# KiCad board AmigaPCI Mainboard.kicad_pcb (continued)
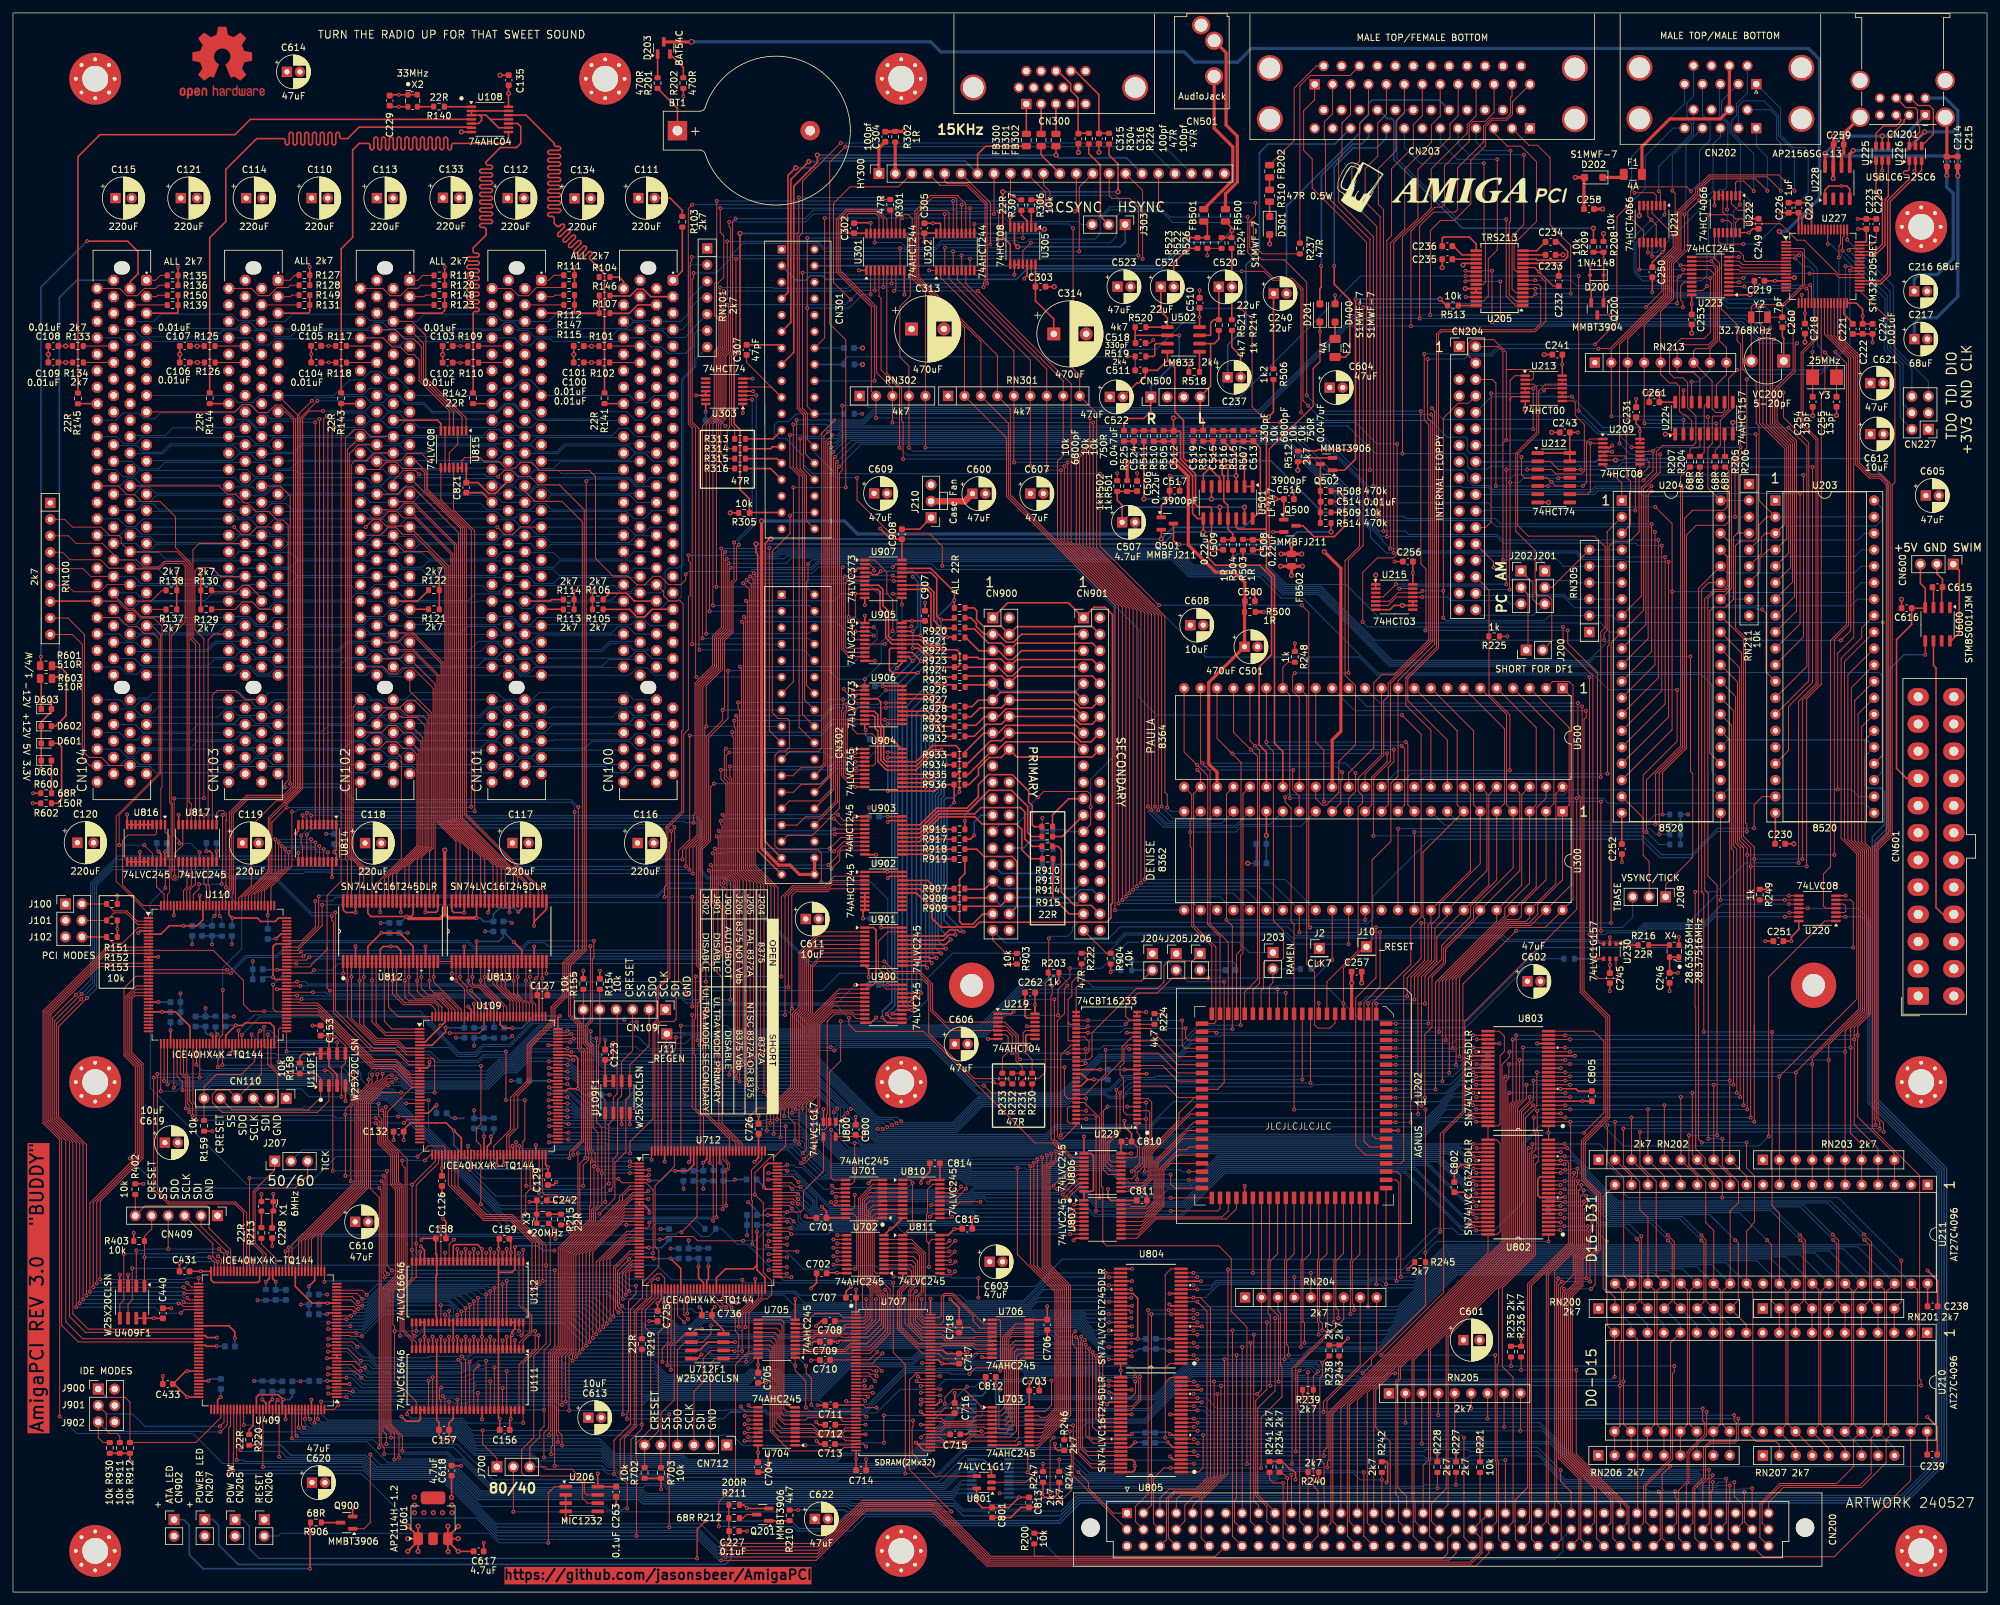
[diagram p0: board, top side]
## Routing (per net, layer and track width the routed paths; a pad name or vN(x,y) marks a point on that pad's centre or on a via; arc(x,y) is an arc through that point) (continued)
PotX1: length 140.5
  Top w0.15: U500.35 206.23,126.5 210.11,130.38 210.11,140.42 211.4,141.71 213.27,141.71 218.6,147.04 218.6,180.28 217.9,180.98 v1(217.9,191.2) ; v1(249.18,213.89) 247.66,212.37 247.66,196.06 v1(244.28,192.68)
  Bottom w0.15: v1(217.9,191.2) 217.9,191.19 228.17,191.19 229.65,192.68 v1(244.28,192.68) ; v1(249.18,213.89) 252.01,216.72 252.01,221.71 256.36,226.06 CN202.14
PotY0: length 159.2
  Top w0.15: v1(256.95,198.97) 256.95,198.98 256.95,202.78 v1(257.33,203.15) 257.73,203.56 U223.15 ; U500.33 201.15,122.57 202.2,121.52 202.78,121.52 204.71,123.45 204.71,128.27 207.29,130.85 207.29,139.97 205.67,141.59 205.67,159.24 207.91,161.48 v1(207.91,198.97) ; U221.1 255.02,212.73 v1(254.99,212.7)
  Bottom w0.15: v1(257.33,203.15) 251.36,203.15 250.6,203.9 250.6,208.31 v1(254.99,212.7) ; v1(207.91,198.97) v1(256.95,198.97)
PotY1: length 141.9
  Top w0.15: v1(244.79,192.01) 246.56,192.01 254.89,200.34 254.89,205.75 256.64,207.5 256.64,215.98 v1(256.21,216.41) ; v1(218.43,190.41) 218.43,190.41 218.43,181.29 218.9,180.81 218.9,146.92 212.33,140.35 212.33,138.31 211.64,137.61 211.64,129.17 208.77,126.3 U500.36
  Bottom w0.15: CN202.18 259.48,225.1 256.21,221.82 256.21,216.41 v1(256.21,216.41) ; v1(218.43,190.41) 224.12,190.41 224.6,190.89 228.35,190.89 229.46,192.01 v1(244.79,192.01)
PPD0: length 280.9
  Top w0.15: v1(253,170.78) 252.12,169.9 252.12,149.41 U204.10 ; CN302.23 120.41,126.05 121.65,127.29 124.58,127.29 125.21,127.92 125.21,178.5 v1(125.88,179.17) ; v1(209.52,173.28) 209.52,208.86 202.65,215.73 202.65,224.24 202.48,224.41 202.48,227.01 203.75,228.28 CN203.2
  Bottom w0.15: v1(125.88,179.17) 126.18,179.47 127.68,179.47 127.98,179.77 201.01,179.77 207.5,173.28 v1(209.52,173.28) 223.98,173.28 224.6,172.66 224.6,171.73 225.45,170.88 227.91,170.88 228.56,170.22 243.78,170.22 244.33,170.78 v1(253,170.78)
PPD1: length 278.7
  Top w0.15: v1(210.04,170.75) 210.04,209.3 204.69,214.66 204.69,221.33 205.19,221.83 205.19,226.84 206.52,228.17 CN203.3 ; U204.11 252.48,147.23 252.48,150.92 252.48,150.92 252.48,169.44 v1(253.01,169.97) ; CN302.24 125.51,127.8 125.51,177.68 v1(126.47,178.64)
  Bottom w0.15: v1(253.01,169.97) 251.78,169.97 251.32,170.43 244.48,170.43 243.9,169.85 228.52,169.85 227.79,170.57 223.79,170.57 223.61,170.75 v1(210.04,170.75) 209.29,170.75 200.7,179.34 127.98,179.34 127.28,178.64 v1(126.47,178.64)
PPD2: length 288.5
  Top w0.15: CN203.4 209.29,228.17 207.92,226.8 207.92,220.98 206.73,219.79 206.73,214.71 210.57,210.87 v1(210.57,166.13) ; CN302.25 120.51,123.51 121.73,124.73 124.56,124.73 125.81,125.98 125.81,177.24 v1(126.04,177.47) ; U204.12 253,145.21 v1(253,164.95)
  Bottom w0.15: v1(253,164.95) 252.99,164.94 229.7,164.94 228.89,165.76 215.09,165.76 214.72,166.13 v1(210.57,166.13) 197.96,178.74 128.3,178.74 127.03,177.47 v1(126.04,177.47)
PPD3: length 285.7
  Top w0.15: v1(126.34,176.79) 126.11,176.55 126.11,125.86 CN302.26 ; v1(253.52,163.67) 253.52,143.19 U204.13 ; CN203.5 212.06,228.19 210.73,226.86 210.73,221.75 208.77,219.79 208.77,214.7 211.09,212.38 v1(211.09,165.45)
  Bottom w0.15: v1(253.52,163.67) 252.69,164.5 229.06,164.5 228.11,165.46 215.24,165.46 215.23,165.45 v1(211.09,165.45) 210.51,165.45 197.52,178.44 128.42,178.44 126.77,176.79 v1(126.34,176.79)
PPD4: length 296.1
  Top w0.15: U204.14 254.05,141.18 v1(254.05,162.45) ; v1(211.62,163.84) 211.62,213.48 210.81,214.28 210.81,219.83 213.53,222.55 213.53,227.09 214.83,228.39 CN203.6 ; v1(126.63,176.04) 126.41,175.81 126.41,124.04 124.53,122.16 119.87,122.16 CN302.27
  Bottom w0.15: v1(126.63,176.04) 128.74,178.14 196.66,178.14 210.96,163.84 v1(211.62,163.84) 214.98,163.84 215.51,163.3 229.18,163.3 230.03,162.45 254.04,162.45 v1(254.05,162.45)
PPD5: length 294.3
  Top w0.15: U204.15 254.57,139.16 v1(254.57,161.59) ; v1(212.14,163) 212.14,208.71 212.85,209.42 212.85,219.79 216.22,223.15 216.22,226.59 217.6,227.97 CN203.7 ; CN302.28 126.71,123.92 126.71,175.07 v1(126.93,175.29)
  Bottom w0.15: v1(126.93,175.29) 129.48,177.84 196.54,177.84 211.38,163 v1(212.14,163) 215.94,163 215.95,163 229.05,163 230.09,161.96 250.57,161.96 250.94,161.59 v1(254.57,161.59)
PPD6: length 306
  Top w0.15: CN302.29 121.08,118.43 122.36,119.71 124.62,119.71 127.01,122.1 127.01,174.32 v1(127.23,174.54) ; U204.16 255.1,137.15 v1(255.1,159.82) ; v1(212.67,161.11) 212.67,208.27 214.89,210.5 214.89,219.74 219.01,223.86 219.01,226.56 220.37,227.92 CN203.8
  Bottom w0.15: v1(127.23,174.54) 130.23,177.54 196.41,177.54 211.48,162.47 211.48,162.3 v1(212.67,161.11) 214.4,161.11 214.75,160.76 241.45,160.76 242.4,159.82 255.09,159.82 v1(255.1,159.82)
PPD7: length 306.1
  Top w0.15: v1(127.53,173.8) 127.31,173.58 127.31,121.98 CN302.30 ; v1(255.62,159.09) 255.62,135.13 U204.17 ; v1(213.19,160.46) 213.19,208.37 216.93,212.12 216.93,219.68 221.88,224.62 221.88,226.71 223.14,227.97 CN203.9
  Bottom w0.15: v1(255.62,159.09) 249.17,159.09 248.8,159.46 242.33,159.46 241.33,160.46 213.19,160.46 v1(213.19,160.46) 212.03,160.46 209.6,162.89 209.6,163.92 206.1,167.43 204.56,167.43 204.12,167.87 204.12,169.41 196.29,177.24 130.97,177.24 v1(127.53,173.8)
PPOUT: length 309
  Top w0.15: v1(217.19,196.67) 217.19,210.95 219.32,213.08 222.66,213.08 223.05,213.48 223.05,219.94 227.04,223.92 227.04,226.33 228.29,227.58 230.51,227.58 231.23,228.3 231.23,230.79 231.45,231.01 CN203.12 ; v1(269.68,193.5) 269.68,180.47 273.57,176.57 273.57,164.92 U203.3 270.56,163.48 269.95,162.87 269.95,160.3 RN211.6 ; CN302.16 122.23,137.74 122.23,172.34 121,173.56 121,180.98 v1(121,180.98)
  Bottom w0.15: v1(121,180.98) 125.97,180.98 126.58,180.37 127.21,180.37 127.51,180.67 131.32,180.67 132.93,182.28 192.54,182.28 206.93,196.67 v1(217.19,196.67) 228.5,196.67 229.02,196.15 267.02,196.15 v1(269.68,193.5) ; 272.13,163.49 273.26,164.62 287.64,164.62 288.61,165.59 288.61,167.34 287.38,168.57
PSEL: length 299.4
  Top w0.15: v1(218.85,197.2) 218.85,210.24 220.4,211.79 222.5,211.79 225.09,214.38 225.09,221.06 227.34,223.3 227.34,226.21 228.41,227.28 230.63,227.28 231.53,228.18 231.53,230.12 CN203.13 ; v1(126.8,180.89) 124.87,178.96 124.87,130.31 124.38,129.82 119.91,129.82 CN302.21 ; v1(270.2,194.57) 270.2,194.57 270.2,180.45 273.87,176.78 273.87,162.69 U203.4 271.02,160.94 269.72,159.64 269.72,157.53 RN211.7 ; Q200.3 v1(246.67,197.2)
  Bottom w0.15: v1(126.8,180.89) 126.88,180.97 131.19,180.97 132.8,182.58 192.42,182.58 207.04,197.2 v1(218.85,197.2) v1(246.67,197.2) 267.57,197.2 v1(270.2,194.57)
PSTROBE: length 281.5
  Top w0.15: v1(121.53,178.12) 121.53,173.46 122.53,172.46 122.53,165.4 CN301.36 ; v1(253.58,167.54) 256.17,164.95 v1(256.17,154.48) 256.17,133.14 U204.18 ; v1(210.04,168.19) 208.99,169.24 208.99,208.43 200.61,216.81 200.61,221.28 199.28,222.61 199.28,228.73 200.98,230.44 CN203.1
  Bottom w0.15: v1(121.53,178.12) 127.24,178.12 128.16,179.04 200.57,179.04 210.04,169.57 v1(210.04,168.19) 215.41,168.19 215.42,168.2 227.73,168.2 228.45,167.48 249.49,167.48 249.54,167.54 v1(253.58,167.54) ; RN211.8 265.77,153.32 264.6,154.48 v1(256.17,154.48)
R_W: length 440.7
  Top w0.15: v1(197.8,74.51) U202.22 197.8,103.15 197.34,103.61 197.34,121.07 196.41,122 v1(196.41,122.73) ; v1(242.55,70.92) 245.64,74.01 245.64,85.05 244.09,86.6 U803.24 ; CN200.b12 198.67,10.93 198.67,27.96 198.37,28.26 198.37,33.92 v1(198.67,34.22) ; U802.1 v1(237.09,54.15) ; 237.09,71.99 v1(237.09,70.92) 237.09,70.92 U802.24 ; v1(281.74,123.95) 281.74,144.97 284.22,147.45 284.22,190.57 280.7,194.09 U227.27 ; v1(218.08,74.52) v1(218.08,52.42) 218.08,44.27 209.75,35.94 209.75,35.13 v1(208.4,33.77)
  Bottom w0.15: U203.22 284.97,122.84 283.86,123.95 264.76,123.95 U204.22 262.62,123.86 240.22,123.86 239.47,123.11 229.33,123.11 229.33,123.11 196.79,123.11 v1(196.41,122.73) ; v1(218.08,74.52) 218.07,74.51 v1(197.8,74.51) ; v1(237.09,54.15) 232.61,54.15 ; 232.61,54.15 233.46,55 233.46,69.33 235.05,70.92 v1(237.09,70.92) v1(242.55,70.92) ; 232.61,54.15 219.81,54.15 v1(218.08,52.42) ; U808.15 156.18,27.7 156.53,28.05 175.61,28.05 181.77,34.21 198.29,34.21 ; 198.29,34.21 198.44,34.21 ; 198.29,34.21 198.3,34.22 v1(198.67,34.22) 199.38,34.22 199.66,34.5 200.3,34.5 201.35,33.45 201.98,33.45 202.52,34 208.17,34 v1(208.4,33.77)
RAMCLK: length 103
  Top w0.15: v1(77.26,12.39) J700.2 ; 138.44,22.44 138.44,32.78 139.51,33.85 U707.68 ; 138.44,22.44 138.44,18.87 v1(144.89,12.42) ; 138.44,22.44 138.44,21.43
  Bottom w0.15: v1(144.89,12.42) 143.6,12.42 143.24,12.78 129.27,12.78 128.8,13.25 119.05,13.25 118.19,12.38 77.26,12.38 v1(77.26,12.39)
RAWLEFT: length 145.5
  Top w0.25: 188.44,177.7 191.45,177.7 ; v2(177.31,162.61) 177.31,164.03 ; C513.1 192.59,176.68 v2(192.59,166.93) 191.43,165.76 ; CN302.33 116.16,115.88 116.16,161.98 116.79,162.61 v2(117.01,162.61)
  Bottom w0.25: v2(117.01,162.61) v2(177.31,162.61) 179.11,164.41 190.06,164.41 v2(192.59,166.93)
RAWRIGHT: length 154.4
  Top w0.25: Q500.2 194.62,163.69 194.62,163.69 ; C512.1 179.22,175.36 182.14,172.44 182.14,166.51 182.88,165.76 U501.8 v2(183.79,163.68) ; v2(114.73,161.84) 114.73,160.51 114.99,160.25 114.99,114.5 CN302.35 ; R510.1 179.17,177.7
  Bottom w0.25: v2(114.73,161.84) 177.59,161.84 179.43,163.68 v2(183.79,163.68) 183.8,163.69 194.57,163.69 v1(194.58,163.68)
RGA1: length 64.9
  Top w0.15: U202.33 185.49,87.78 185.73,88.02 185.73,99.58 182.3,103.02 182.3,123.26 U500.26 183.37,126.44 v1(182.88,126.93) ; v1(197.67,126.93) 197.58,126.84 197.58,123.92 198.61,122.89 U300.17
  Bottom w0.15: v1(197.67,126.93) v1(182.88,126.93)
RGA2: length 57.7
  Top w0.15: U500.25 182,123.17 182,119.49 181.77,119.27 v1(181.77,117.36) 181.77,115.1 182,114.88 182,102.85 185.1,99.74 U202.32
  Bottom w0.15: v1(181.77,117.36) 188.81,117.36 189.69,118.24 198.84,118.24 U300.16
RGA3: length 82.1
  Top w0.15: U300.15 205.01,121.87 205.01,125.33 205.24,125.55 v1(205.24,126.58) ; U202.31 186.37,101.19 184.47,103.09 184.47,126.08 v1(182.83,127.72) 180.83,129.72 U500.24
  Bottom w0.15: v1(205.24,126.58) 204.37,127.45 183.1,127.45 v1(182.83,127.72)
RGA4: length 82.7
  Top w0.15: U300.14 206.23,122.56 207.3,123.63 v1(207.3,126.45) ; U202.30 187.64,100.34 184.83,103.15 184.83,126.79 v1(183.62,128) 183.37,128.25 U500.23
  Bottom w0.15: v1(183.62,128) 205.75,128 v1(207.3,126.45)
RGA5: length 86.4
  Top w0.15: U300.13 209.8,121.57 209.8,125.84 212.16,128.21 v1(212.16,129.5) ; U500.22 185.91,131.81 v1(188.22,129.5) 189.62,128.1 189.62,99.16 188.91,98.45 U202.29
  Bottom w0.15: v1(188.22,129.5) 188.22,129.5 v1(212.16,129.5)
RGA6: length 85.1
  Top w0.15: U500.21 188.45,132.77 v1(191.13,130.09) 192.15,129.06 192.15,94.64 190.18,92.67 U202.28 ; U300.12 212.35,121.58 212.35,127.36 213.21,128.22 v1(213.21,130.09)
  Bottom w0.15: v1(213.21,130.09) v1(191.13,130.09)
RGA7: length 84.7
  Top w0.15: U500.20 190.99,131.44 v1(191.75,130.68) 192.45,129.97 192.45,93.98 191.45,92.98 U202.27 ; U300.11 214.88,121.57 214.88,130.21 v1(214.41,130.68)
  Bottom w0.15: v1(214.41,130.68) v1(191.75,130.68)
RGA8: length 87.1
  Top w0.15: v1(215.05,131.26) 215.37,130.95 215.37,121.57 U300.10 ; U202.26 192.72,92.83 193.08,93.19 193.08,97.26 193.3,97.48 195.81,97.48 196.16,97.83 196.16,102.11 194.61,103.67 194.61,129.8 193.53,130.88 U500.19
  Bottom w0.15: v1(215.05,131.26) v1(193.53,131.26)
SIZ0: length 70.2
  Top w0.15: R244.2 v1(161.54,20.46) ; v1(208.57,18.52) 208.57,8.65 CN200.c16
  Bottom w0.15: U809.11 v1(161.54,20.46) 163.29,20.46 165.66,18.09 194.62,18.09 195.48,18.95 200.83,18.95 201.06,18.72 207.13,18.72 207.33,18.52 v1(208.57,18.52)
SIZ1: length 90.4
  Top w0.15: R243.2 v1(204.78,33.38) ; v1(213.42,33.77) 212.96,33.77 210.41,31.23 210.41,25.43 212.65,23.19 CN200.a17
  Bottom w0.15: U808.17 174.81,26.4 182.02,33.62 197.58,33.62 198.04,33.15 202.32,33.15 202.55,33.38 v1(204.78,33.38) 207.55,33.38 207.77,33.15 211.58,33.15 212.2,33.77 v1(213.42,33.77)
TBASE: length 204.6
  Top w0.15: 251.69,117.53 251.69,119.56 U204.19 ; 251.69,117.53 251.69,113.76 252.63,112.82 J208.2 ; 251.69,117.53 251.69,126.12 256.95,131.38 v1(256.95,139.34) ; v1(122.75,158.74) 122.75,156.15 122.53,155.93 122.53,139.98 CN302.14
  Bottom w0.15: v1(122.75,158.74) 123.41,159.4 178.9,159.4 181.53,156.77 192.51,156.77 195.82,153.47 199.18,153.47 210.74,141.91 243.79,141.91 246.36,139.34 v1(256.95,139.34)
TICK50: length 19
  Top w0.15: U409.56 38.59,52.23 37.08,53.74 37.08,61.85 40.41,65.18 J207.1
TICK60: length 24.3
  Top w0.15: J207.3 45.49,64.27 43.6,62.38 38.03,62.38 37.38,61.73 37.38,53.86 39.09,52.15 U409.55
TM0: length 71.5
  Top w0.15: v1(199.95,33.98) CN200.a12
  Bottom w0.15: v1(199.95,33.98) 199.43,33.45 198.16,33.45 197.7,33.91 181.9,33.91 174.68,26.7 156.48,26.7 156.13,27.05 U808.16
TM1: length 78.9
  Top w0.15: CN200.c12 201.49,8.65 201.49,15.69 200.77,16.41 200.77,33.32 v1(201.5,34.05)
  Bottom w0.15: v1(201.5,34.05) 200.73,34.81 197.74,34.81 197.44,34.51 181.65,34.51 175.48,28.35 U808.14
TM2: length 75.9
  Top w0.15: CN200.a13 202.49,14.01 202.44,14.06 202.44,19.84 201.79,20.49 201.79,33.03 202.17,33.41 v1(202.17,35.41) 203.23,36.47
  Bottom w0.15: v1(202.17,35.41) 201.87,35.71 197.37,35.71 197.07,35.41 181.27,35.41 176.16,30.3 U808.11
TT0: length 123.5
  Top w0.15: v1(241.37,34.3) 241.37,21.31 249.51,13.17 249.51,8.35 CN200.c32 ; R236.2 v1(232.85,34.3)
  Bottom w0.15: v1(241.37,34.3) v1(232.85,34.3) 201.98,34.3 201.17,35.12 197.62,35.12 197.32,34.81 181.52,34.81 176.41,29.7 156.92,29.7 156.22,29 U808.13
TT1: length 134.3
  Top w0.15: CN200.b33 252.1,10.84 252.1,16.37 256.25,20.53 256.25,22.52 256.24,22.54 256.24,33.75 256.5,34.01 v1(256.5,34.89) ; R235.2 v1(231.3,34.89)
  Bottom w0.15: v1(256.5,34.89) v1(231.3,34.89) 201.82,34.89 201.29,35.41 197.49,35.41 197.19,35.12 181.4,35.12 176.28,30 156.56,30 156.21,29.65 U808.12
UDB0: length 38.3
  Top w0.15: U705.9 122.19,41.39 123.82,43.02 127.57,43.02 128.24,42.35 U707.2 131.42,42.35 131.63,42.56 131.63,43.52 131.16,43.99 131.16,47.58 130.57,48.17 130.57,60.8 132.74,62.97 U701.9 U810.2
UDB1: length 38.7
  Top w0.15: U705.8 122.31,40.75 122.64,40.42 127.68,40.42 128.61,41.35 U707.4 131.41,41.35 132.35,42.29 132.35,46.81 130.87,48.29 130.87,60.68 132.52,62.32 U701.8 U810.3
UDB2: length 38.5
  Top w0.15: U810.4 U701.7 132.29,61.68 131.17,60.55 131.17,48.42 132.65,46.94 132.65,41.93 131.57,40.85 U707.5 128.53,40.85 127.8,40.12 120.8,40.12
UDB3: length 39.6
  Top w0.15: U705.6 123.38,39.44 123.76,39.82 128.46,39.82 128.49,39.85 U707.7 131.63,39.85 133.8,42.02 133.8,45.46 132.95,46.31 132.95,47.06 131.47,48.54 131.47,60.43 132.06,61.02 U701.6 U810.5
UDB4: length 39.8
  Top w0.15: U705.5 122.04,38.8 122.39,39.14 123.5,39.14 123.88,39.52 127.89,39.52 128.06,39.35 U707.8 132.06,39.35 134.1,41.39 134.1,45.59 133.25,46.44 133.25,47.19 131.77,48.67 131.77,59.89 132.25,60.38 U701.5 U810.6
UDB5: length 40
  Top w0.15: U705.4 122.35,38.14 123.05,37.44 128.39,37.44 129.3,38.35 U707.10 131.84,38.35 134.4,40.91 134.4,45.71 133.55,46.56 133.55,47.31 132.07,48.79 132.07,59 132.8,59.72 U701.4 U810.7
UDB6: length 39.9
  Top w0.15: U810.8 U701.3 132.81,59.07 132.37,58.64 132.37,48.92 133.85,47.44 133.85,46.69 134.7,45.84 134.7,40.31 132.24,37.85 U707.11 129.22,37.85 128.51,37.14 122.53,37.14 122.18,37.5 U705.3
UDB7: length 40.3
  Top w0.15: 120.77,36.84 130.15,36.84 ; U810.9 U701.2 133.12,58.43 132.67,57.97 132.67,49.04 133.97,47.74 134.42,47.74 135.43,46.73 135.43,39.94 132.34,36.85 U707.13
UDB8: length 33.4
  Top w0.15: U706.2 149.88,41.39 145.17,46.1 143.78,46.1 143.34,45.66 143.34,42.65 143.04,42.35 U707.85 140.67,42.35 140.36,42.66 140.36,43.39 140.86,43.89 140.86,52.34 138.76,54.44 U811.2 U702.9
UDB9: length 35.5
  Top w0.15: U706.3 149.35,40.75 148.24,41.85 148.24,42.62 145.05,45.8 143.9,45.8 143.7,45.6 143.7,41.77 143.28,41.35 U707.83 140.68,41.35 139.66,42.37 139.66,45.41 140.56,46.31 140.56,52.22 138.98,53.8 U811.3 U702.8
UDB10: length 29.4
  Top w0.15: U706.4 148.61,40.09 147.85,40.85 U707.82 140.38,40.85 139.36,41.87 139.36,45.54 140.26,46.44 140.26,52.09 139.21,53.14 134.47,53.14
UDB11: length 30.3
  Top w0.15: U706.5 148.56,39.44 148.36,39.24 144,39.24 143.39,39.85 U707.80 140.3,39.85 138.61,41.54 138.61,46.44 139.96,47.79 139.96,51.97 139.44,52.5 U811.5 U702.6
UDB12: length 29.7
  Top w0.15: 134.47,51.84 138.98,51.84 139.66,51.16 139.66,47.92 138.31,46.57 138.31,41.42 140.38,39.35 U707.79 143.47,39.35 144.02,38.8 U706.6
UDB13: length 30.9
  Top w0.15: U702.4 U811.7 138.85,51.19 139.36,50.68 139.36,48.44 137.16,46.24 137.16,40.95 139.76,38.35 U707.77 148.39,38.35 148.6,38.14 U706.7
UDB14: length 30.8
  Top w0.15: U706.8 148.67,37.5 148.12,38.05 143.53,38.05 143.33,37.85 U707.76 139.84,37.85 136.86,40.83 136.86,46.36 139.01,48.51 139.01,50.25 138.71,50.55 U811.8 U702.3
UDB15: length 31
  Top w0.15: 151.19,36.84 148.5,36.84 147.7,36.04 143.72,36.04 142.91,36.85 U707.74 140.41,36.85 136.56,40.7 136.56,46.49 138.71,48.64 138.71,49.58 138.39,49.89 U811.9 U702.2
UPA0: length 112
  Top w0.15: CN200.c33 254.34,8.16 254.34,15.27 v1(254.12,15.5) ; R228.2 v1(219.93,16.03)
  Bottom w0.15: v1(254.12,15.5) 252.63,15.5 252.1,16.03 v1(219.93,16.03) 163.29,16.03 163.17,15.91 U809.18
UPA1: length 111.8
  Top w0.15: v1(256.65,15.54) 256.65,14.63 256.88,14.41 256.88,10.7 CN200.b34 ; R227.2 v1(222.81,16.56)
  Bottom w0.15: U809.17 163.15,16.56 163.39,16.33 217.76,16.33 217.99,16.56 v1(222.81,16.56) 239.02,16.56 239.25,16.33 254.23,16.33 255.02,15.54 v1(256.65,15.54)
VCDAC: length 171.5
  Top w0.15: v1(149.91,78.22) 151.07,77.06 156.96,77.06 157.36,77.46 R230.1 ; v1(114.77,184.78) 114.76,184.78 U303.3 ; v1(112.07,161.71) 111.73,161.37 111.73,156.31 111.18,155.76 111.18,148.23 109.87,146.92 109.87,136.51 v1(109.57,136.21) 109.57,134.61 107.12,132.16 107.12,116.25 105.81,114.95 105.81,96.84 106.3,96.35 106.3,85.03 106,84.73 v1(106,84.49)
  Bottom w0.15: CN302.15 v1(109.57,136.21) ; v1(112.07,161.71) 112.07,162.37 114.77,165.06 v1(114.77,184.78) ; v1(106,84.49) 106.01,84.48 107.39,84.48 107.64,84.23 111.72,84.23 112.17,84.68 141.95,84.68 148.41,78.22 v1(149.91,78.22)
Vref: length 31.5
  Top w0.25: U501.10 v2(186.33,167.53) ; C507.1 171.25,167.83 170.5,168.58 R502.1 172,169.97 ; C506.1 172.08,170.01 ; v2(190.15,167.53) 190.15,165.77
  Bottom w0.25: v2(190.15,167.53) v2(186.33,167.53) 173.59,167.53 C507.1
XCLK: length 200.7
  Top w0.15: v1(217.38,182.35) 217.38,158.77 218.17,157.98 218.17,148.58 v1(218.07,148.49) ; v1(154.55,215.59) 155.14,214.99 R307.2 ; U230.3 245.17,100.11 244.64,100.64 244.64,141.93 240.06,146.51 v1(240.06,148.49) ; v1(191.83,214.53) 191.83,212.55 190.96,211.67 190.96,207.61 192.85,205.72 196.3,205.72 199.76,202.26 v1(199.76,184.79)
  Bottom w0.15: v1(217.38,182.35) 202.18,182.35 199.76,184.77 v1(199.76,184.79) ; v1(218.07,148.49) v1(240.06,148.49) ; v1(191.83,214.53) 171.35,214.53 170.22,215.66 154.62,215.66 v1(154.55,215.59)
Net-(BT1-+): length 7.8
  Top w0.25: R201.1 102.6,229.12 BT1.1
Net-(C237-Pad2): length 7.8
  Top w0.25: C237.2 189.55,190.89 188.2,192.24 R214.2
Net-(C315-Pad1): length 12.5
  Top w0.25: 164.46,225.26 164.46,230.71 163.31,231.86 163.31,232.89 161.34,234.86 ; R304.1 164.56,225.26
Net-(C316-Pad1): length 13.4
  Top w0.25: CN300.14 164.03,234.86 167.67,231.23 C316.1 ; R226.1 167.72,225.26
Net-(C515-Pad2): length 3.1
  Top w0.25: 188.44,179.35 185.33,179.35
Net-(C520-Pad1): length 10.1
  Top w0.25: C520.1 R521.2 185.42,196.47 184.93,195.98 184.93,194.16 184.82,194.05 183.2,194.05
Net-(C521-Pad1): length 10
  Top w0.25: C521.1 177.23,197.78 178.25,196.75 U502.1 174.93,195.32
Net-(C521-Pad2): length 8.3
  Top w0.25: R522.2 181.5,207.5 179.23,205.22 ; 179.24,201.55 179.24,205.23
Net-(C524-Pad2): length 3
  Top w0.25: R510.2 173.13,179.35
Net-(CN100-_PRSNT1): length 4.7
  Top w0.15: R101.1 CN100.B9
Net-(CN100-_PRSNT2): length 4.7
  Top w0.15: 92.14,189.86 CN100.B11
Net-(CN100-_TRST): length 8.8
  Top w0.25: R103.1 103.35,204.01 CN100.A1
Net-(CN100-TCK): length 3.5
  Top w0.25: R104.2 93.58,203.06 94.28,202.36 CN100.B2
Net-(CN101-_PRSNT1): length 4.6
  Top w0.15: R109.1 CN101.B9
Net-(CN101-_PRSNT2): length 4.6
  Top w0.15: 71.91,189.86 CN101.B11
Net-(CN101-_TRST): length 3.8
  Top w0.15: R111.1 83.53,203.34 82.75,202.56 CN101.A1
Net-(CN101-TCK): length 12.2
  Top w0.15: R112.2 84.69,201.45 80.86,201.45 79.59,200.18 78.05,200.18 76.94,201.29 CN101.B2
Net-(CN102-_PRSNT1): length 4.7
  Top w0.15: CN102.B9 51.48,192.41
Net-(CN102-_PRSNT2): length 4.7
  Top w0.15: CN102.B11 51.46,189.86
Net-(CN102-_TRST): length 4.1
  Top w0.15: R119.1 63.29,203.31 62.54,202.56 CN102.A1
Net-(CN102-TCK): length 12.5
  Top w0.15: R120.2 63.03,201.79 62.56,201.32 60.97,201.32 59.83,200.18 58.26,200.18 57.15,201.29 CN102.B2
Net-(CN103-_PRSNT1): length 4.7
  Top w0.15: R125.1 CN103.B9
Net-(CN103-_PRSNT2): length 4.6
  Top w0.15: R126.1 CN103.B11
Net-(CN103-_TRST): length 3.6
  Top w0.15: CN103.A1 42.75,202.56 43.54,203.35 R127.1
Net-(CN103-TCK): length 12
  Top w0.15: CN103.B2 36.83,201.29 37.94,200.18 39.52,200.18 40.79,201.45 42.5,201.45 42.85,201.8 R128.2
Net-(CN104-_PRSNT1): length 4.7
  Top w0.15: R133.1 CN104.B9
Net-(CN104-_PRSNT2): length 4.7
  Top w0.15: 10.87,189.86 CN104.B11
Net-(CN104-_TRST): length 3.5
  Top w0.15: CN104.A1 22.01,202.56 22.75,203.31 R135.1
Net-(CN104-TCK): length 12
  Top w0.15: R136.2 22.5,201.79 22.01,201.3 20.29,201.3 19.17,200.18 17.62,200.18 16.51,201.29 CN104.B2
Net-(CN203-Pad34): length 43.6
  Top w0.25: 206.41,191.39 205.73,190.71 F2.2 ; v1(204,204.78) 204,201.96 206.42,199.54 206.42,191.41
  Bottom w0.25: CN203.34 212.06,224.51 210.55,223 206.92,223 204,220.08 v1(204,204.78)
Net-(CN207-Pin_1): length 94.6
  Top w0.2: R212.2 110.53,9.46
  Top w0.25: v1(110.58,8.14) C227.1
  Bottom w0.25: CN207.1 30.86,11.19 31.76,10.29 31.76,7.3 34.79,4.26 110,4.26 110.88,5.15 110.88,7.84 v1(110.58,8.14)